# KiCad board VLF4_PCB.kicad_pcb
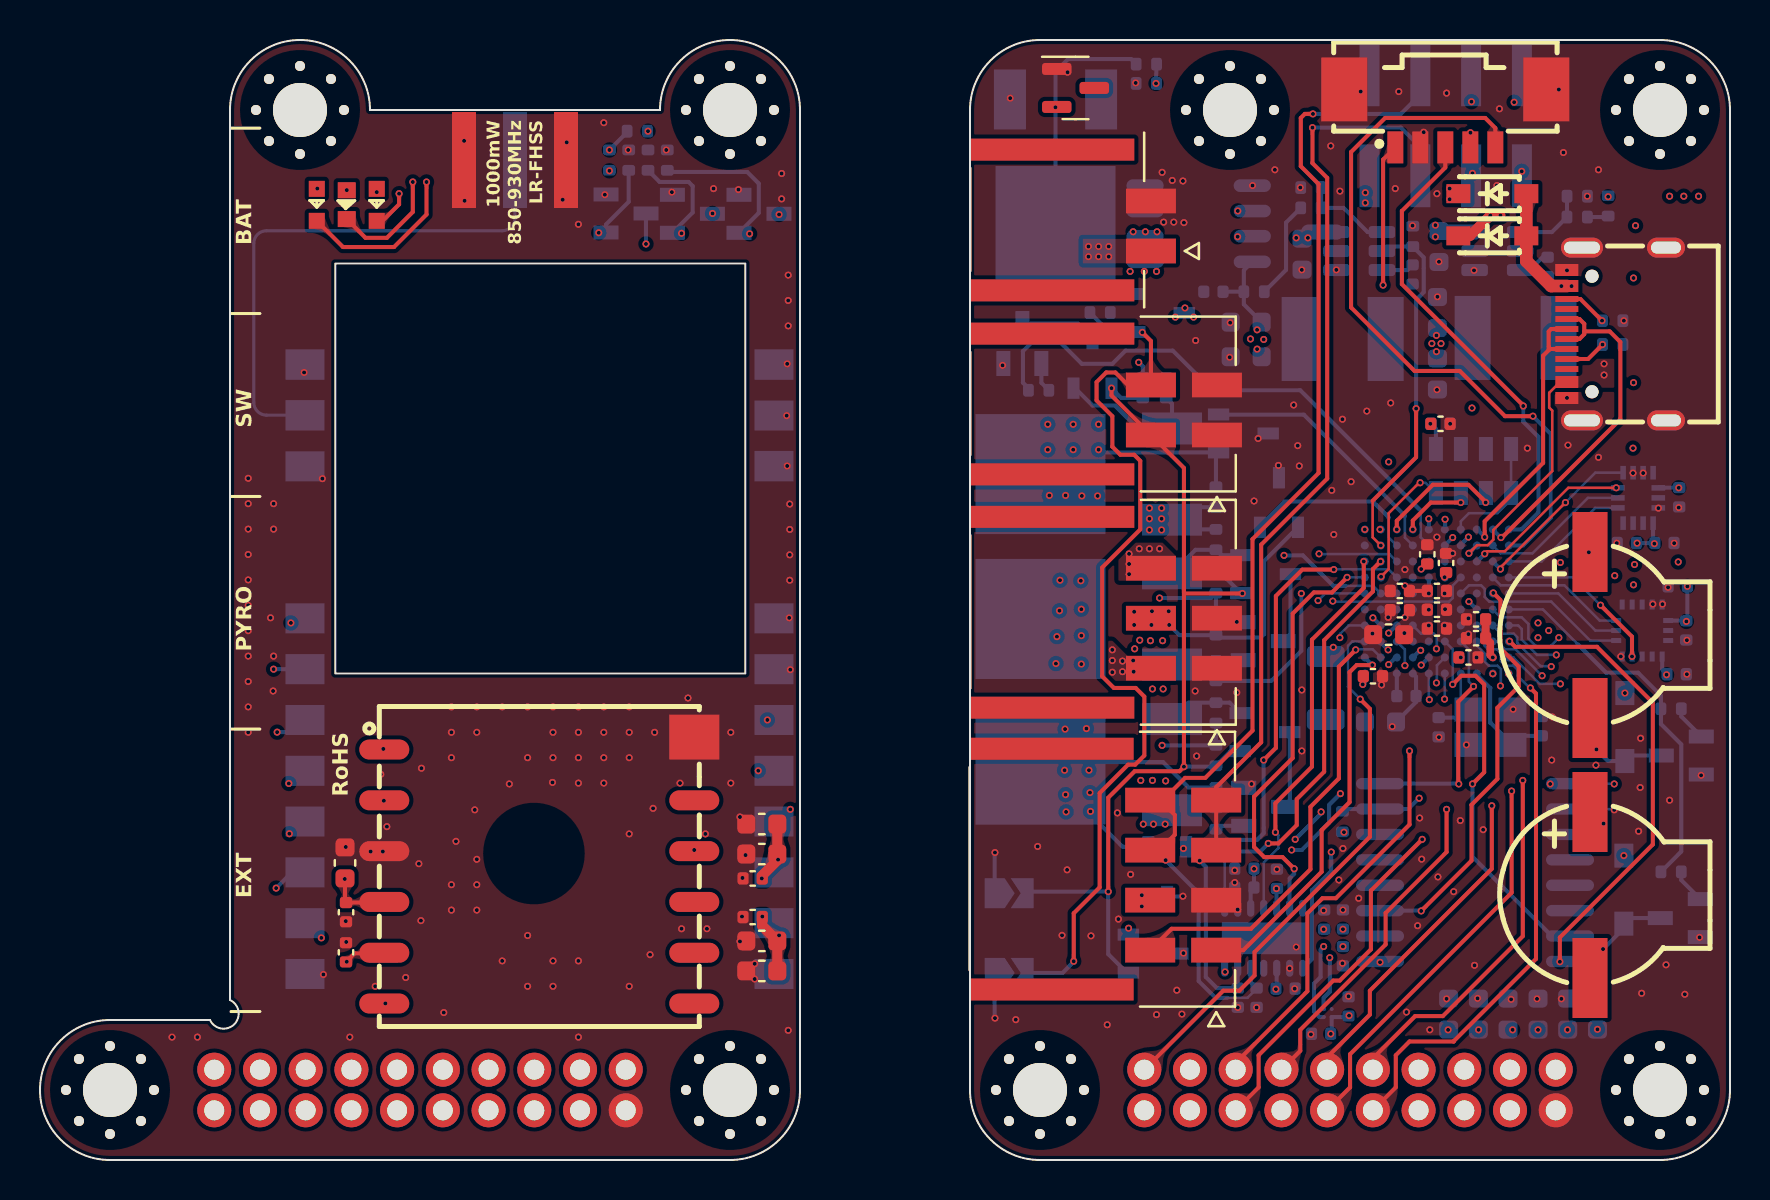
[diagram p0: board, top side]
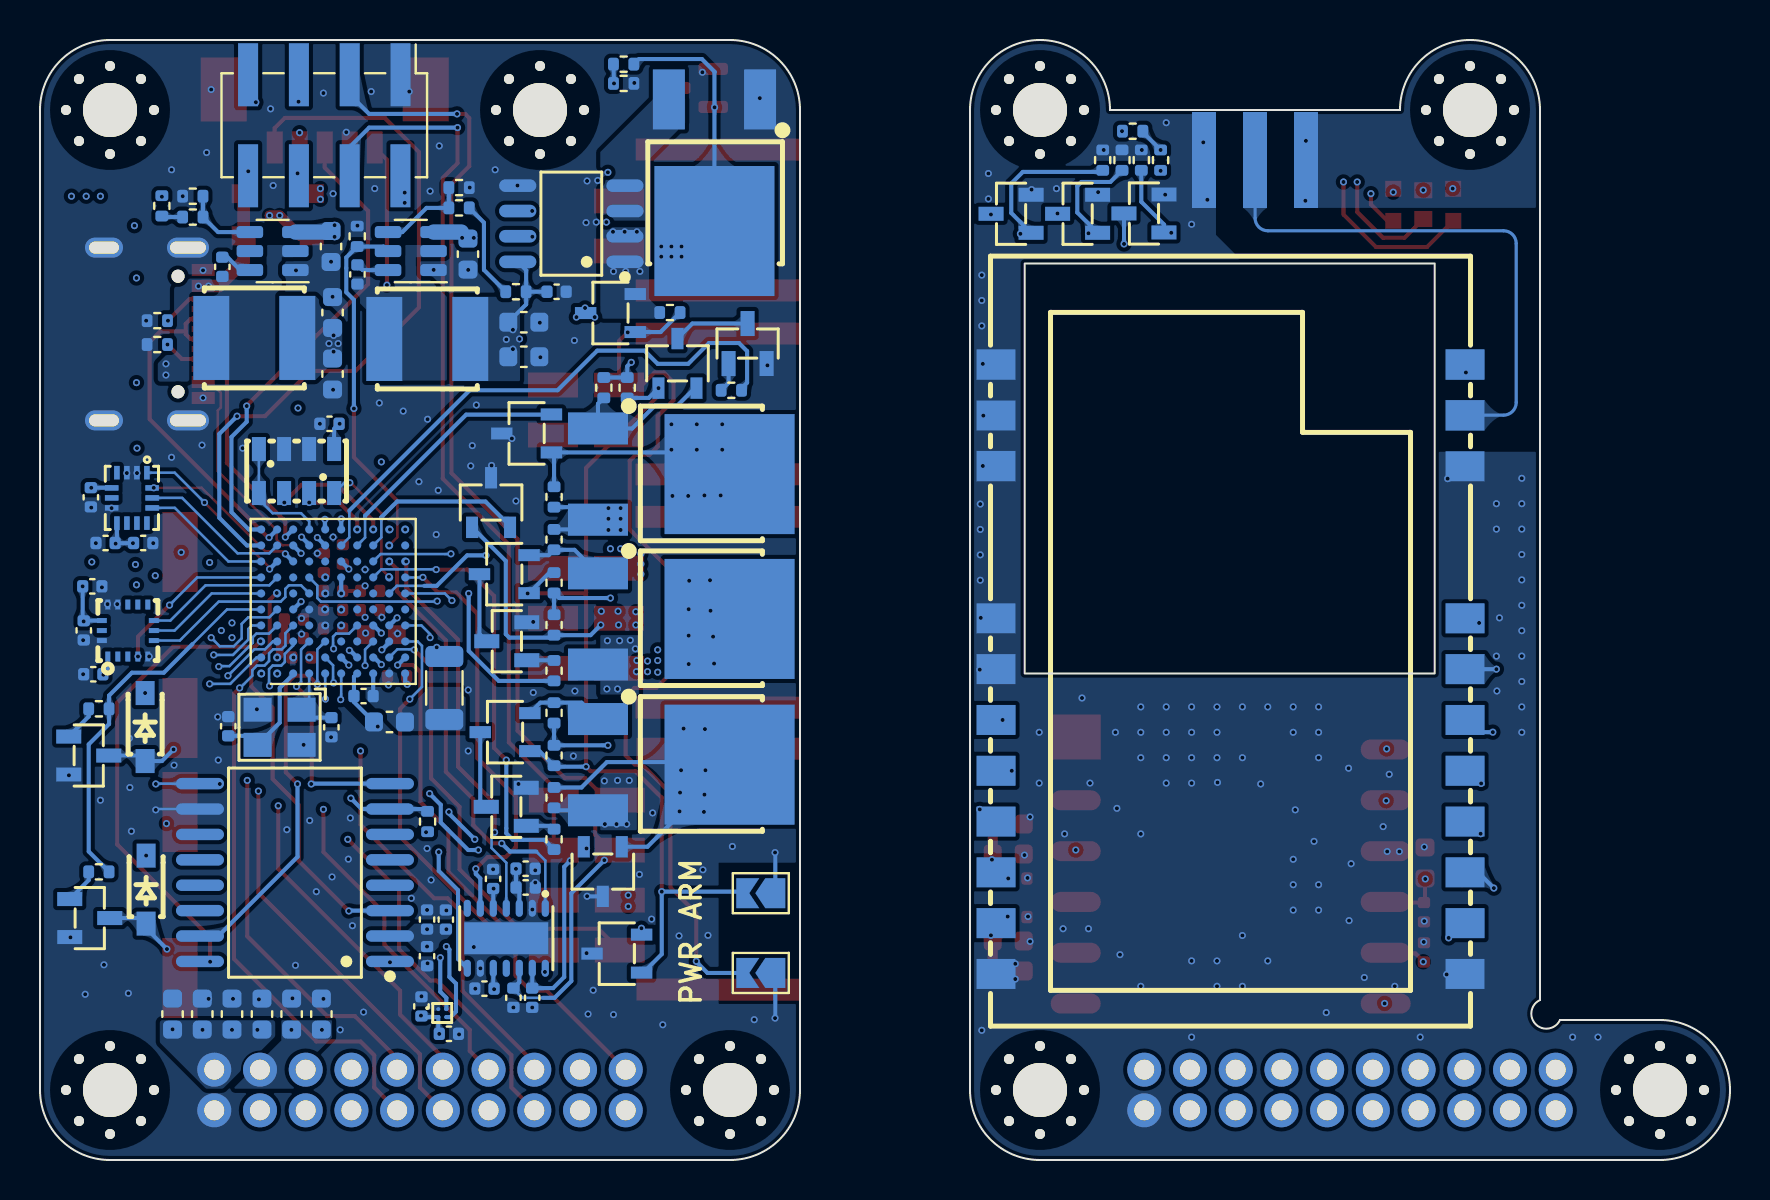
[diagram p1: board, bottom side, seen from below]

Outline 84.5 x 56 mm; copper layers: Top, Ground1 (plane), In.Cu, Power (plane), Ground2, Bottom. Coordinates in mm from the lower left corner of the outline.
Outline path: 3.5,7 8.5,7 arc(9.71,6.79) 9.5,8 9.5,52.5 arc(13,56) 16.5,52.5 31,52.5 arc(34.5,56) 38,52.5 38,3.5 arc(36.97,1.03) 34.5,0 3.5,0 arc(0,3.5) 3.5,7 ; 46.5,52.5 46.5,3.5 arc(47.53,1.03) 50,0 81,0 arc(83.47,1.03) 84.5,3.5 84.5,52.5 arc(83.47,54.97) 81,56 50,56 arc(47.53,54.97) 46.5,52.5
Stack: Top 0.035mm / dielectric 0.1mm FR4 er 4.5 / Ground1 0.035mm / dielectric 0.535mm FR4 er 4.5 / In.Cu 0.035mm / dielectric 0.1mm FR4 er 4.5 / Power 0.035mm / dielectric 0.535mm FR4 er 4.5 / Ground2 0.035mm / dielectric 0.1mm FR4 er 4.5 / Bottom 0.035mm

## Placement (name value [footprint] x y rotation side)
BUZZER1  MLT-9032  [BUZ-SMD_MLT-9032]  77.5 26.25 90 top
BUZZER2  MLT-9032  [BUZ-SMD_MLT-9032]  77.5 13.25 90 top
C1  100n  [C_0402_1005Metric]  58.67 43.41 0 bottom
C2  100n  [C_0402_1005Metric]  75.38 44.66 270 bottom
C3  22u  [C_0603_1608Metric]  69.87 42.37 90 bottom
C4  22u  [C_0603_1608Metric]  69.87 39.3 90 bottom
C5  10u  [C_0603_1608Metric]  69.95 45.68 270 bottom
C6  10u  [C_0603_1608Metric]  63.1 45.29 270 bottom
C7  100n  [C_0402_1005Metric]  68.63 44.28 270 bottom
C8  22u  [C_0603_1608Metric]  60.31 41.89 180 bottom
C9  22u  [C_0603_1608Metric]  60.31 40.16 0 bottom
C10  100n  [C_0402_1005Metric]  65.15 12.02 270 bottom
C11  100n  [C_0402_1005Metric]  65.15 10.19 90 bottom
C12  100n  [C_0402_1005Metric]  70.02 36.81 180 bottom
C13  100n  [C_0402_1005Metric]  81.96 33.14 270 bottom
C14  100n  [C_0402_1005Metric]  81.22 30.85 0 bottom
C15  100n  [C_0402_1005Metric]  65.43 7.68 90 bottom
C16  1u  [C_0402_1005Metric]  64.06 6.31 180 bottom
C17  100n  [C_0402_1005Metric]  81.84 24.29 180 bottom
C18  100n  [C_0402_1005Metric]  82.31 26.48 90 bottom
C19  100n  [C_0402_1005Metric]  66.65 24.19 0 top
C20  100n  [C_0402_1005Metric]  69.85 27.51 0 top
C21  100n  [C_0402_1005Metric]  69.85 26.57 0 top
C22  100n  [C_0402_1005Metric]  71.42 25.13 0 top
C23  4.7u  [C_0402_1005Metric]  67.99 27.49 180 top
C24  100n  [C_0402_1005Metric]  68.32 23.2 0 bottom
C25  10u  [C_0603_1608Metric]  67.03 21.9 0 bottom
C26  1u  [C_0402_1005Metric]  71.8 27.03 180 top
C27  100n  [C_0402_1005Metric]  71.8 26.09 180 top
C28  2.2uL  [C_0402_1005Metric]  70.3 29.85 90 top
C29  2.2uL  [C_0402_1005Metric]  69.36 30.28 90 top
C30  1u  [C_0402_1005Metric]  67.99 28.45 180 top
C31  100n  [C_0402_1005Metric]  69.85 28.45 0 top
C32  10p  [C_0402_1005Metric]  75.09 21.69 90 bottom
C33  10p  [C_0402_1005Metric]  69.93 21.64 270 bottom
C34  100n  [C_0402_1005Metric]  15.3 12.39 90 top
C35  10u  [C_0603_1608Metric]  15.25 14.85 270 top
C36  100n  [C_0402_1005Metric]  15.3 10.38 90 top
C37  100n  [C_0402_1005Metric]  35.63 14.08 0 top
C38  10u  [C_0603_1608Metric]  36.09 15.3 0 top
C39  100n  [C_0402_1005Metric]  35.63 12.15 180 top
C40  10u  [C_0603_1608Metric]  36.09 10.95 180 top
C41  100n  [C_0402_1005Metric]  62.28 8.57 0 bottom
C42  100n  [C_0402_1005Metric]  60.22 13.63 0 bottom
C43  100n  [C_0402_1005Metric]  61.85 14.06 90 bottom
C44  100p  [C_0402_1005Metric]  59.89 8.11 270 bottom
C45  100p  [C_0402_1005Metric]  60.83 8.11 90 bottom
C46  1u  [C_0402_1005Metric]  64.21 12.02 270 bottom
C47  1u  [C_0402_1005Metric]  81.89 28.68 0 bottom
C48  1u  [C_0402_1005Metric]  70.02 36.81 180 top
C49  1u  [C_0402_1005Metric]  60.22 14.57 0 bottom
C50  1u  [C_0402_1005Metric]  79.34 30.85 180 bottom
C51  22u  [C_0603_1608Metric]  77.87 7.3 90 bottom
C52  22u  [C_0603_1608Metric]  76.39 7.3 90 bottom
C53  22u  [C_0603_1608Metric]  74.9 7.3 90 bottom
C54  22u  [C_0603_1608Metric]  73.4 7.3 90 bottom
C55  22u  [C_0603_1608Metric]  70.43 7.3 270 bottom
C56  22u  [C_0603_1608Metric]  71.92 7.3 270 bottom
C57  22u  [C_0603_1608Metric]  67.43 26.27 180 top
C58  22u  [C_0603_1608Metric]  36.09 16.8 0 top
C59  22u  [C_0603_1608Metric]  36.09 9.45 180 top
D1  B5819W_C8598  [SOD-123_L2.7-W1.6-LS3.7-RD-1]  72.62 48.32 0 top
D2  B5819W_C8598  [SOD-123_L2.7-W1.6-LS3.7-RD-1]  72.62 46.21 0 top
D3  B5819W_C8598  [SOD-123_L2.7-W1.6-LS3.7-RD-1]  79.24 21.65 270 bottom
D4  B5819W_C8598  [SOD-123_L2.7-W1.6-LS3.7-RD-1]  79.19 13.52 270 bottom
D5  MMBZ27VCLT1G-N  [SOT-23]  51.78 53.6 0 top
H1  MountingHole  [MountingHole_2.7mm_M2.5_Keepout]  81 52.5 0 top
H2  MountingHole  [MountingHole_2.7mm_M2.5_Keepout]  59.5 52.5 0 top
H3  MountingHole  [MountingHole_2.7mm_M2.5_Keepout]  50 3.5 0 top
H4  MountingHole  [MountingHole_2.7mm_M2.5_Keepout]  81 3.5 0 top
H5  MountingHole  [MountingHole_2.7mm_M2.5_Keepout]  34.5 52.5 0 top
H6  MountingHole  [MountingHole_2.7mm_M2.5_Keepout]  13 52.5 0 top
H7  MountingHole  [MountingHole_2.7mm_M2.5_Keepout]  34.5 3.5 0 top
H8  MountingHole  [MountingHole_2.7mm_M2.5_Keepout]  3.5 3.5 0 top
HS1  Heatsink  [heatsink_20x20x10]  25.02 34.58 0 top
J1  Conn_02x10_Odd_Even  [02x10_Compact_Connector]  65.5 3.5 180 bottom
J2  Conn_02x10_Odd_Even  [02x10_Compact_Connector]  19 3.5 180 bottom
J_BAT1  Conn_01x02  [1054301102]  50.77 47 270 top
J_EXT1  Conn_02x04_Top_Bottom  [1054051108]  52.39 14.54 270 top
J_EXT2  Conn_02x04_Top_Bottom  [PinHeader_2x04_P2.54mm_Vertical_SMD]  70.29 51.74 270 bottom
J_PYRO1  Conn_02x03_Top_Bottom  [1054051106]  52.42 27.39 270 top
J_SW1  Conn_02x02_Top_Bottom  [1054051104]  52.42 37.8 270 top
JP1  SolderJumper_2_Open  [SolderJumper-2_P1.3mm_Open_TrianglePad1.0x1.5mm]  48.46 9.35 0 bottom
JP2  SolderJumper_2_Open  [SolderJumper-2_P1.3mm_Open_TrianglePad1.0x1.5mm]  48.46 13.34 0 bottom
L1  FNR5020S3R3NT  [IND-SMD_L5.0-W5.0_FNR50XXS]  73.78 41.1 180 bottom
L2  FNR5020S3R3NT  [IND-SMD_L5.0-W5.0_FNR50XXS]  65.13 41.05 180 bottom
L3  3.3uh  [L_1206_3216Metric]  64.28 23.6 90 bottom
LED1  19-217/BHC-ZL1M2RY/3T  [LED0603-FD_BLUE]  15.34 47.77 90 top
LED_G1  19-217/GHC-YR1S2/3T  [LED0603-RD]  16.84 47.76 90 top
LED_R1  KT-0603R  [LED0603-RD]  13.84 47.76 90 top
Q1  AP25P06K  [TO-252-2_L6.6-W6.1-P4.57-LS10.1-BL]  50.78 49.74 0 bottom
Q2  CJ3407  [SOT-23-3_L2.9-W1.6-P1.90-LS2.8-BR]  55.98 42.35 180 bottom
Q3  CJ3407  [SOT-23-3_L2.9-W1.6-P1.90-LS2.8-BR]  55.66 10.32 180 bottom
Q4  AP25P06K  [TO-252-2_L6.6-W6.1-P4.57-LS10.1-BL]  53.31 19.77 270 bottom
Q5  CJ3407  [SOT-23-3_L2.9-W1.6-P1.90-LS2.8-BR]  61.25 21.39 180 bottom
Q6  MMBT5551_C2145  [SOT-23-3_L2.9-W1.3-P1.90-LS2.4-BR]  61.19 17.66 180 bottom
Q7  CJ3407  [SOT-23-3_L2.9-W1.6-P1.90-LS2.8-BR]  56.36 14.42 90 bottom
Q8  CJ3407  [SOT-23-3_L2.9-W1.6-P1.90-LS2.8-BR]  61.29 29.29 180 bottom
Q9  MMBT5551_C2145  [SOT-23-3_L2.9-W1.3-P1.90-LS2.4-BR]  61.16 25.94 180 bottom
Q10  AP25P06K  [TO-252-2_L6.6-W6.1-P4.57-LS10.1-BL]  53.31 27.05 270 bottom
Q11  CJ3407  [SOT-23-3_L2.9-W1.6-P1.90-LS2.8-BR]  61.95 32.87 270 bottom
Q12  CJ3407  [SOT-23-3_L2.9-W1.6-P1.90-LS2.8-BR]  52.63 39.83 270 bottom
Q13  MMBT5551_C2145  [SOT-23-3_L2.9-W1.3-P1.90-LS2.4-BR]  49.12 40.82 270 bottom
Q14  AP25P06K  [TO-252-2_L6.6-W6.1-P4.57-LS10.1-BL]  53.31 34.3 270 bottom
Q15  CJ3407  [SOT-23-3_L2.9-W1.6-P1.90-LS2.8-BR]  60.17 36.33 180 bottom
Q16  MMBT5551_C2145  [SOT-23-3_L2.9-W1.3-P1.90-LS2.4-BR]  82.06 20.22 0 bottom
Q17  MMBT5551_C2145  [SOT-23-3_L2.9-W1.3-P1.90-LS2.4-BR]  82.01 12.1 0 bottom
Q18  2N7002  [SOT-23-3_L2.9-W1.3-P1.90-LS2.4-BR]  29.3 47.33 180 bottom
Q19  2N7002  [SOT-23-3_L2.9-W1.3-P1.90-LS2.4-BR]  32.62 47.31 180 bottom
Q20  2N7002  [SOT-23-3_L2.9-W1.3-P1.90-LS2.4-BR]  35.95 47.31 180 bottom
R1  3.9K  [R_0402_1005Metric]  55.32 53.83 0 bottom
R2  20K  [R_0402_1005Metric]  55.32 54.79 180 bottom
R3  33K  [R_0402_1005Metric]  53.01 42.37 0 bottom
R4  10K  [R_0402_1005Metric]  76.86 48.19 180 bottom
R5  27K  [R_0402_1005Metric]  76.86 47.15 180 bottom
R6  3.3K  [R_0402_1005Metric]  78.41 47.71 90 bottom
R7  10K  [R_0402_1005Metric]  63.55 48.62 0 bottom
R8  56K  [R_0402_1005Metric]  63.55 47.61 0 bottom
R9  200R  [R_0402_1005Metric]  60.7 43.41 180 bottom
R10  33K  [R_0402_1005Metric]  68.64 46.18 270 bottom
R11  10K  [R_0402_1005Metric]  58.8 22.36 90 bottom
R12  33K  [R_0402_1005Metric]  58.8 20.22 270 bottom
R13  510R  [R_0402_1005Metric]  58.8 16.03 270 bottom
R14  33K  [R_0402_1005Metric]  58.8 18.12 90 bottom
R15  10K  [R_0402_1005Metric]  58.8 31.02 270 bottom
R16  33K  [R_0402_1005Metric]  58.8 28.86 90 bottom
R17  510R  [R_0402_1005Metric]  58.8 24.47 270 bottom
R18  33K  [R_0402_1005Metric]  58.8 26.75 270 bottom
R19  10K  [R_0402_1005Metric]  56.31 38.61 270 bottom
R20  33K  [R_0402_1005Metric]  55.14 38.61 270 bottom
R21  510R  [R_0402_1005Metric]  49.93 38.49 180 bottom
R22  33K  [R_0402_1005Metric]  58.8 33.15 90 bottom
R23  330R  [R_0402_1005Metric]  81.56 22.56 0 bottom
R24  330R  [R_0402_1005Metric]  81.56 14.41 0 bottom
R25  5.1K  [R_0402_1005Metric]  78.63 41.97 0 bottom
R26  5.1K  [R_0402_1005Metric]  78.63 40.77 0 bottom
R27  33K  [R_0402_1005Metric]  65.12 16.92 90 bottom
R28  75R  [R_0402_1005Metric]  28.47 49.99 270 bottom
R29  33K  [R_0402_1005Metric]  29.44 49.99 90 bottom
R30  33K  [R_0402_1005Metric]  30.4 49.99 90 bottom
R31  33K  [R_0402_1005Metric]  31.37 49.99 90 bottom
R32  33R  [R_0402_1005Metric]  29.87 51.44 0 bottom
RF1  BWSMA-KE-P001  [SMA-SMD_BWSMA-KE-P001]  23.75 50 90 bottom
SWD1  532610571  [CONN-SMD_5P-P1.25_532610571-2]  70.27 52.08 180 top
U1  CC6920SO-30A  [SOP-8_L4.9-W3.9-P1.27-LS6.0-BL]  57.93 46.82 90 bottom
U2  AP62300TWU  [TSOT-23-6]  72.87 45.45 0 bottom
U3  AP62300TWU  [TSOT-23-6]  65.96 45.45 0 bottom
U4  W25Q512JVFIQ  [SOIC-16_L10.3-W7.5-P1.27-LS10.4-BL]  71.75 14.37 90 bottom
U5  MS560702BA03-50  [SENSOR-SMD_MS560702BA03-50]  71.68 34.45 270 bottom
U6  H3LIS100DLTR  [TFLGA-16_L3.0-W3.0-P0.50-TL]  80.11 26.47 90 bottom
U7  MMC5603NJ  [FLIPCHIP-4_L0.8-W0.8-R2-C2-P0.40-TL]  64.39 7.35 180 bottom
U8  LSM6DSMTR  [LGA-14_L3.0-W2.5-P0.50-TL]  79.9 33.11 270 bottom
U9  STM32H723VGHx  [TFBGA-100_8x8mm_Layout10x10_P0.8mm]  69.84 27.93 90 bottom
U10  L80RE  [GPSM-SMD_12P-L16.0-W16.0-P2.54-BL]  24.96 14.48 270 top
U11  E22-900M30S  [WIRELM-SMD_E22-900M30S]  24.97 24.53 0 bottom
U12  TJA1043TK/1Y  [HVSON-14_L4.5-W3.0-P0.65-BL-EP]  61.19 11.09 0 bottom
USB1  TYPEC-304J-BCP16  [USB-C-SMD_TYPEC-304J-BCP16]  78.82 41.3 90 top
X1  X322516MLB4SI  [OSC-SMD_4P-L3.2-W2.5-BL]  72.52 21.64 0 bottom

## Library data of the parts
BUZZER1 BUZZER2 = -: LCSC Part: C194480
C1-C59 = -: Description: Unpolarized capacitor
D1-D4 = -: LCSC Part: C8598
D5 = -: Description: TVS Diode Array, 5.5V Standoff, 2 Channels, SOT-23 package
H1-H8 = -: Description: Mounting Hole without connection
J1 J2 = -: Description: Generic connector, double row, 02x10, odd/even pin numbering scheme (row 1 odd numbers, row 2 even numbers), script generated (kicad-library-utils/schlib/autogen/connector/)
J_BAT1 = -: Description: Generic connector, single row, 01x02, script generated (kicad-library-utils/schlib/autogen/connector/)
J_EXT1 = -: Description: Generic connector, double row, 02x04, top/bottom pin numbering scheme (row 1: 1...pins_per_row, row2: pins_per_row+1 ... num_pins), script generated (kicad-library-utils/schlib/autogen/connector/)
J_EXT2 = -: Description: Generic connector, double row, 02x04, odd/even pin numbering scheme (row 1 odd numbers, row 2 even numbers), script generated (kicad-library-utils/schlib/autogen/connector/)
J_PYRO1 = -: Description: Generic connector, double row, 02x03, top/bottom pin numbering scheme (row 1: 1...pins_per_row, row2: pins_per_row+1 ... num_pins), script generated (kicad-library-utils/schlib/autogen/connector/)
J_SW1 = -: Description: Generic connector, double row, 02x02, top/bottom pin numbering scheme (row 1: 1...pins_per_row, row2: pins_per_row+1 ... num_pins), script generated (kicad-library-utils/schlib/autogen/connector/)
JP1 JP2 = -: Description: Solder Jumper, 2-pole, open
L1 L2 = -: LCSC Part: C167926
L3 = -: Description: Inductor; JLCPCB: C967688
LED1 = -: LCSC Part: C72041
LED_G1 = -: LCSC Part: C72043
LED_R1 = -: LCSC Part: C2286
Q1 Q4 Q10 Q14 = -: LCSC Part: C2995326
Q2 Q3 Q5 Q7 Q8 Q11 Q12 Q15 = -: LCSC Part: C15903
Q6 Q9 Q13 Q16 Q17 = -: LCSC Part: C2145
Q18-Q20 = -: LCSC Part: C8545
R1-R32 = -: Description: Resistor
RF1 = -: LCSC Part: C496550
SWD1 = -: LCSC Part: C392176
U1 = -: LCSC Part: C2760491
U2 U3 = -: Description: 3A, 750kHz Buck DC/DC Converter, PFM for light load efficiency, 4.2V-18V input voltage, 0.763V-7V adjustable output voltage, TSOT-23-6
U4 = -: LCSC Part: C2962011
U5 = -: LCSC Part: C97627
U6 = -: LCSC Part: C2655068
U7 = -: LCSC Part: C404328
U8 = -: LCSC Part: C94048
U9 = -: Description: STMicroelectronics Arm Cortex-M7 MCU, 1024KB flash, 564KB RAM, 550 MHz, 1.62-3.6V, 82 GPIO, TFBGA100
U10 = -: Description: Quectel GPS Module
U11 = -: LCSC Part: C411294
U12 = -: LCSC Part: C181728
USB1 = -: LCSC Part: C2835315
X1 = -: LCSC Part: C13738

## Footprints (pads in the part's own frame, mm; a bottom-side part is the same pattern mirrored in y, then rotated)
02x10_Compact_Connector
  round 1.7 hole 1: 1(-10.287,-1.016)
  oval 1.7x1.7 hole 1: 2(-10.287,1.016) 3(-8.001,-1.016) 4(-8.001,1.016) 5(-5.715,-1.016) 6(-5.715,1.016) 7(-3.429,-1.016) 8(-3.429,1.016) 9(-1.143,-1.016) 10(-1.143,1.016) 11(1.143,-1.016) 12(1.143,1.016) 13(3.429,-1.016) 14(3.429,1.016) 15(5.715,-1.016) 16(5.715,1.016) 17(8.001,-1.016) 18(8.001,1.016) 19(10.287,-1.016) 20(10.287,1.016)
1054051104
  rect 1.24x2.5 smd: 1(1.55,6.425) 2(-0.95,6.425) 3(1.55,3.125) 4(-0.95,3.125)
  rect 1.1x8.2 smd: S1(-3.52,-1.805) S2(3.52,-1.805)
1054051106
  rect 1.24x2.5 smd: 1(2.8,6.425) 2(0.3,6.425) 3(-2.2,6.425) 4(2.8,3.125) 5(0.3,3.125) 6(-2.2,3.125)
  rect 1.1x8.2 smd: S1(-4.77,-1.805) S2(4.77,-1.805)
1054051108
  rect 1.24x2.5 smd: 1(4.05,6.425) 2(1.55,6.425) 3(-0.95,6.425) 4(-3.45,6.425) 5(4.05,3.125) 6(1.55,3.125) 7(-0.95,3.125) 8(-3.45,3.125)
  rect 1.1x8.2 smd: S1(-6.02,-1.805) S2(6.02,-1.805)
1054301102
  rect 1.24x2.5 smd: 1(1.55,4.775) 2(-0.95,4.775)
  rect 1.1x8.2 smd: S1(-3.52,-0.155) S2(3.52,-0.155)
BUZ-SMD_MLT-9032
  rect 4x1.75 smd: 1(4.15,0) 2(-4.15,0)
C_0402_1005Metric
  rrect 0.56x0.62 smd: 1(-0.48,0) 2(0.48,0)
C_0603_1608Metric
  rrect 0.9x0.95 smd: 1(-0.775,0) 2(0.775,0)
CONN-SMD_5P-P1.25_532610571-2
  rect 0.8x1.6 smd: 1(2.5,1.45) 2(1.25,1.45) 3(0,1.45) 4(-1.25,1.45) 5(-2.5,1.45)
  rect 2.3x3.2 smd: 6(-5.05,-1.45) 7(5.05,-1.45)
FLIPCHIP-4_L0.8-W0.8-R2-C2-P0.40-TL
  round 0.2 smd: A1(-0.2,0.2) A2(0.2,0.2) B1(-0.2,-0.2) B2(0.2,-0.2)
GPSM-SMD_12P-L16.0-W16.0-P2.54-BL
  oval 1x2.5 smd: 1(-6.04,-7.75) 2(-3.5,-7.75) 3(-0.96,-7.75) 4(1.58,-7.75) 5(4.12,-7.75) 6(6.66,-7.75) 7(6.66,7.75) 8(4.12,7.75) 9(1.58,7.75) 10(-0.96,7.75) 11(-3.5,7.75)
  rect 2.25x2.5 smd: 12(-6.66,7.75)
HVSON-14_L4.5-W3.0-P0.65-BL-EP
  oval 0.36x0.85 smd: 1(-1.95,-1.5) 2(-1.3,-1.5) 3(-0.65,-1.5) 4(0,-1.5) 5(0.65,-1.5) 6(1.3,-1.5) 7(1.95,-1.5) 8(1.95,1.5) 9(1.3,1.5) 10(0.65,1.5) 11(0,1.5) 12(-0.65,1.5) 13(-1.3,1.5) 14(-1.95,1.5)
  rect 4.2x1.6 smd: 15(0,0)
IND-SMD_L5.0-W5.0_FNR50XXS
  rect 1.8x4.2 smd: 1(-2.15,0) 2(2.15,0)
L_1206_3216Metric
  rrect 1.05x1.9 smd: 1(-1.575,0) 2(1.575,0)
LED0603-FD_BLUE
  rect 0.8x0.9 smd: 1(-0.72,0) 2(0.72,0)
LED0603-RD
  rect 0.8x0.8 smd: 1(-0.8,0) 2(0.8,0)
LGA-14_L3.0-W2.5-P0.50-TL
  rect 0.68x0.28 smd: 1(-1.26,0.75) 2(-1.26,0.25) 3(-1.26,-0.25) 4(-1.26,-0.75) 8(1.26,-0.75) 9(1.26,-0.25) 10(1.26,0.25) 11(1.26,0.75)
  rect 0.28x0.68 smd: 5(-0.5,-1.01) 6(0,-1.01) 7(0.5,-1.01) 12(0.5,1.01) 13(0,1.01) 14(-0.5,1.01)
MountingHole_2.7mm_M2.5_Keepout
  round 0.5 hole 0.5 unplated: (-2.2,0) (-1.55,1.55) (-1.55,-1.55) (0,2.2) (0,-2.2) (1.55,1.55) (1.55,-1.55) (2.2,0)
  round 2.7 hole 2.7 unplated: (0,0)
OSC-SMD_4P-L3.2-W2.5-BL
  rect 1.4x1.2 smd: 1(-1.1,-0.88) 2(1.1,-0.88) 3(1.1,0.88) 4(-1.1,0.88)
PinHeader_2x04_P2.54mm_Vertical_SMD
  rect 3.15x1 smd: 1(-2.525,3.81) 2(2.525,3.81) 3(-2.525,1.27) 4(2.525,1.27) 5(-2.525,-1.27) 6(2.525,-1.27) 7(-2.525,-3.81) 8(2.525,-3.81)
R_0402_1005Metric
  rrect 0.54x0.64 smd: 1(-0.51,0) 2(0.51,0)
SENSOR-SMD_MS560702BA03-50
  rect 1.2x0.7 smd: 1(-1.1,1.88) 2(-1.1,0.63) 3(-1.1,-0.62) 4(-1.1,-1.88) 5(1.1,-1.88) 6(1.1,-0.62) 7(1.1,0.63) 8(1.1,1.88)
SMA-SMD_BWSMA-KE-P001
  rect 4.8x1.2 smd: 1(0,-2.55) 2(0,2.55) 5(0,0)
  rect 4.8x1.2 smd far side: 3(0,2.55) 4(0,-2.55)
SOD-123_L2.7-W1.6-LS3.7-RD-1
  rect 1.2x0.95 smd: 1(-1.7,0) 2(1.7,0)
SOIC-16_L10.3-W7.5-P1.27-LS10.4-BL
  oval 0.57x2.4 smd: 1(-4.44,-4.75) 2(-3.17,-4.75) 3(-1.9,-4.75) 4(-0.63,-4.75) 5(0.64,-4.75) 6(1.91,-4.75) 7(3.18,-4.75) 8(4.45,-4.75) 9(4.45,4.75) 10(3.18,4.75) 11(1.91,4.75) 12(0.64,4.75) 13(-0.63,4.75) 14(-1.9,4.75) 15(-3.17,4.75) 16(-4.44,4.75)
SolderJumper-2_P1.3mm_Open_TrianglePad1.0x1.5mm
  custom 1.5x1.5 smd: 1(-0.725,0)
  custom 1.15x1.5 smd: 2(0.725,0)
SOP-8_L4.9-W3.9-P1.27-LS6.0-BL
  oval 0.63x1.86 smd: 1(-1.91,-2.68) 2(-0.63,-2.68) 3(0.63,-2.68) 4(1.9,-2.68) 5(1.9,2.68) 6(0.63,2.68) 7(-0.63,2.68) 8(-1.91,2.68)
SOT-23
  rrect 1.475x0.6 smd: 1(-0.938,0.95) 2(-0.938,-0.95) 3(0.938,0)
SOT-23-3_L2.9-W1.3-P1.90-LS2.4-BR
  rect 1.25x0.7 smd: 1(1,-0.95) 2(1,0.95) 3(-1,0)
SOT-23-3_L2.9-W1.6-P1.90-LS2.8-BR
  rect 1.07x0.6 smd: 1(1.24,-0.95) 2(1.24,0.95) 3(-1.24,0)
TFBGA-100_8x8mm_Layout10x10_P0.8mm
  round 0.4 smd: A1(-3.6,3.6) A2(-2.8,3.6) A3(-2,3.6) A4(-1.2,3.6) A5(-0.4,3.6) A6(0.4,3.6) A7(1.2,3.6) A8(2,3.6) A9(2.8,3.6) A10(3.6,3.6) B1(-3.6,2.8) B2(-2.8,2.8) B3(-2,2.8) B4(-1.2,2.8) B5(-0.4,2.8) B6(0.4,2.8) B7(1.2,2.8) B8(2,2.8) B9(2.8,2.8) B10(3.6,2.8) C1(-3.6,2) C2(-2.8,2) C3(-2,2) C4(-1.2,2) C5(-0.4,2) C6(0.4,2) C7(1.2,2) C8(2,2) C9(2.8,2) C10(3.6,2) D1(-3.6,1.2) D2(-2.8,1.2) D3(-2,1.2) D4(-1.2,1.2) D5(-0.4,1.2) D6(0.4,1.2) D7(1.2,1.2) D8(2,1.2) D9(2.8,1.2) D10(3.6,1.2) E1(-3.6,0.4) E2(-2.8,0.4) E3(-2,0.4) E4(-1.2,0.4) E5(-0.4,0.4) E6(0.4,0.4) E7(1.2,0.4) E8(2,0.4) E9(2.8,0.4) E10(3.6,0.4) F1(-3.6,-0.4) F2(-2.8,-0.4) F3(-2,-0.4) F4(-1.2,-0.4) F5(-0.4,-0.4) F6(0.4,-0.4) F7(1.2,-0.4) F8(2,-0.4) F9(2.8,-0.4) F10(3.6,-0.4) G1(-3.6,-1.2) G2(-2.8,-1.2) G3(-2,-1.2) G4(-1.2,-1.2) G5(-0.4,-1.2) G6(0.4,-1.2) G7(1.2,-1.2) G8(2,-1.2) G9(2.8,-1.2) G10(3.6,-1.2) H1(-3.6,-2) H2(-2.8,-2) H3(-2,-2) H4(-1.2,-2) H5(-0.4,-2) H6(0.4,-2) H7(1.2,-2) H8(2,-2) H9(2.8,-2) H10(3.6,-2) J1(-3.6,-2.8) J2(-2.8,-2.8) J3(-2,-2.8) J4(-1.2,-2.8) J5(-0.4,-2.8) J6(0.4,-2.8) J7(1.2,-2.8) J8(2,-2.8) J9(2.8,-2.8) J10(3.6,-2.8) K1(-3.6,-3.6) K2(-2.8,-3.6) K3(-2,-3.6) K4(-1.2,-3.6) K5(-0.4,-3.6) K6(0.4,-3.6) K7(1.2,-3.6) K8(2,-3.6) K9(2.8,-3.6) K10(3.6,-3.6)
TFLGA-16_L3.0-W3.0-P0.50-TL
  rect 0.5x0.25 smd: 1(-1.3,1) 2(-1.3,0.5) 3(-1.3,0) 4(-1.3,-0.5) 5(-1.3,-1) 9(1.3,-1) 10(1.3,-0.5) 11(1.3,0) 12(1.3,0.5) 13(1.3,1)
  rect 0.25x0.5 smd: 6(-0.5,-1.3) 7(0,-1.3) 8(0.5,-1.3) 14(0.5,1.3) 15(0,1.3) 16(-0.5,1.3)
TO-252-2_L6.6-W6.1-P4.57-LS10.1-BL
  rect 1.6x3 smd: 1(-2.28,-3.29) 2(2.28,-3.29)
  rect 6x6.5 smd: 3(0,3.29)
TSOT-23-6
  rrect 1.325x0.6 smd: 1(-1.137,0.95) 2(-1.137,0) 3(-1.137,-0.95) 4(1.137,-0.95) 5(1.137,0) 6(1.137,0.95)
USB-C-SMD_TYPEC-304J-BCP16
  round 0.65 hole 0.65: (-2.89,1.22) (2.89,1.22)
  oval 1x2.1 hole 0.6x1.8: 13(-4.32,1.72) 14(4.32,1.72)
  oval 1x1.9 hole 0.6x1.5: 15(-4.32,-2.48) 16(4.32,-2.48)
  rect 0.6x1.15 smd: A1B12(-3.2,2.48) A4B9(-2.4,2.48) B1A12(3.2,2.48) B4A9(2.4,2.48)
  rect 0.3x1.15 smd: A5(-1.25,2.48) A6(-0.25,2.48) A7(0.25,2.48) A8(1.25,2.48) B5(1.75,2.48) B6(0.75,2.48) B7(-0.75,2.48) B8(-1.75,2.48)
WIRELM-SMD_E22-900M30S
  rect 1.95x1.522 smd: 1(11.725,-15.241) 3(11.725,-10.161) 21(-11.725,-12.701) 22(-11.725,-15.241)
  rect 1.95x1.5 smd: 2(11.725,-12.69) 4(11.725,-2.55) 5(11.725,-0.01) 6(11.725,2.53) 7(11.725,5.07) 8(11.725,7.61) 9(11.725,10.15) 10(11.725,12.69) 11(11.725,15.23) 12(-11.725,15.23) 13(-11.725,12.69) 14(-11.725,10.15) 17(-11.725,2.53) 20(-11.725,-10.15)
  rect 1.95x1.502 smd: 15(-11.725,7.609) 16(-11.725,5.069) 18(-11.725,-0.011) 19(-11.725,-2.551)
